# Altium PCB IOT_Masterv2_301115.PcbDoc (part 2 of 2)
Units mm, origin at the board's own origin, x right, y up, seen from the top; angles counter-clockwise.
Board outline 105 x 110 mm, 2 copper layers (Top Layer, Bottom Layer); 132 components, 115 nets, 767 pads, 50 vias.
Unrouted connection lines stored in the file: 3.
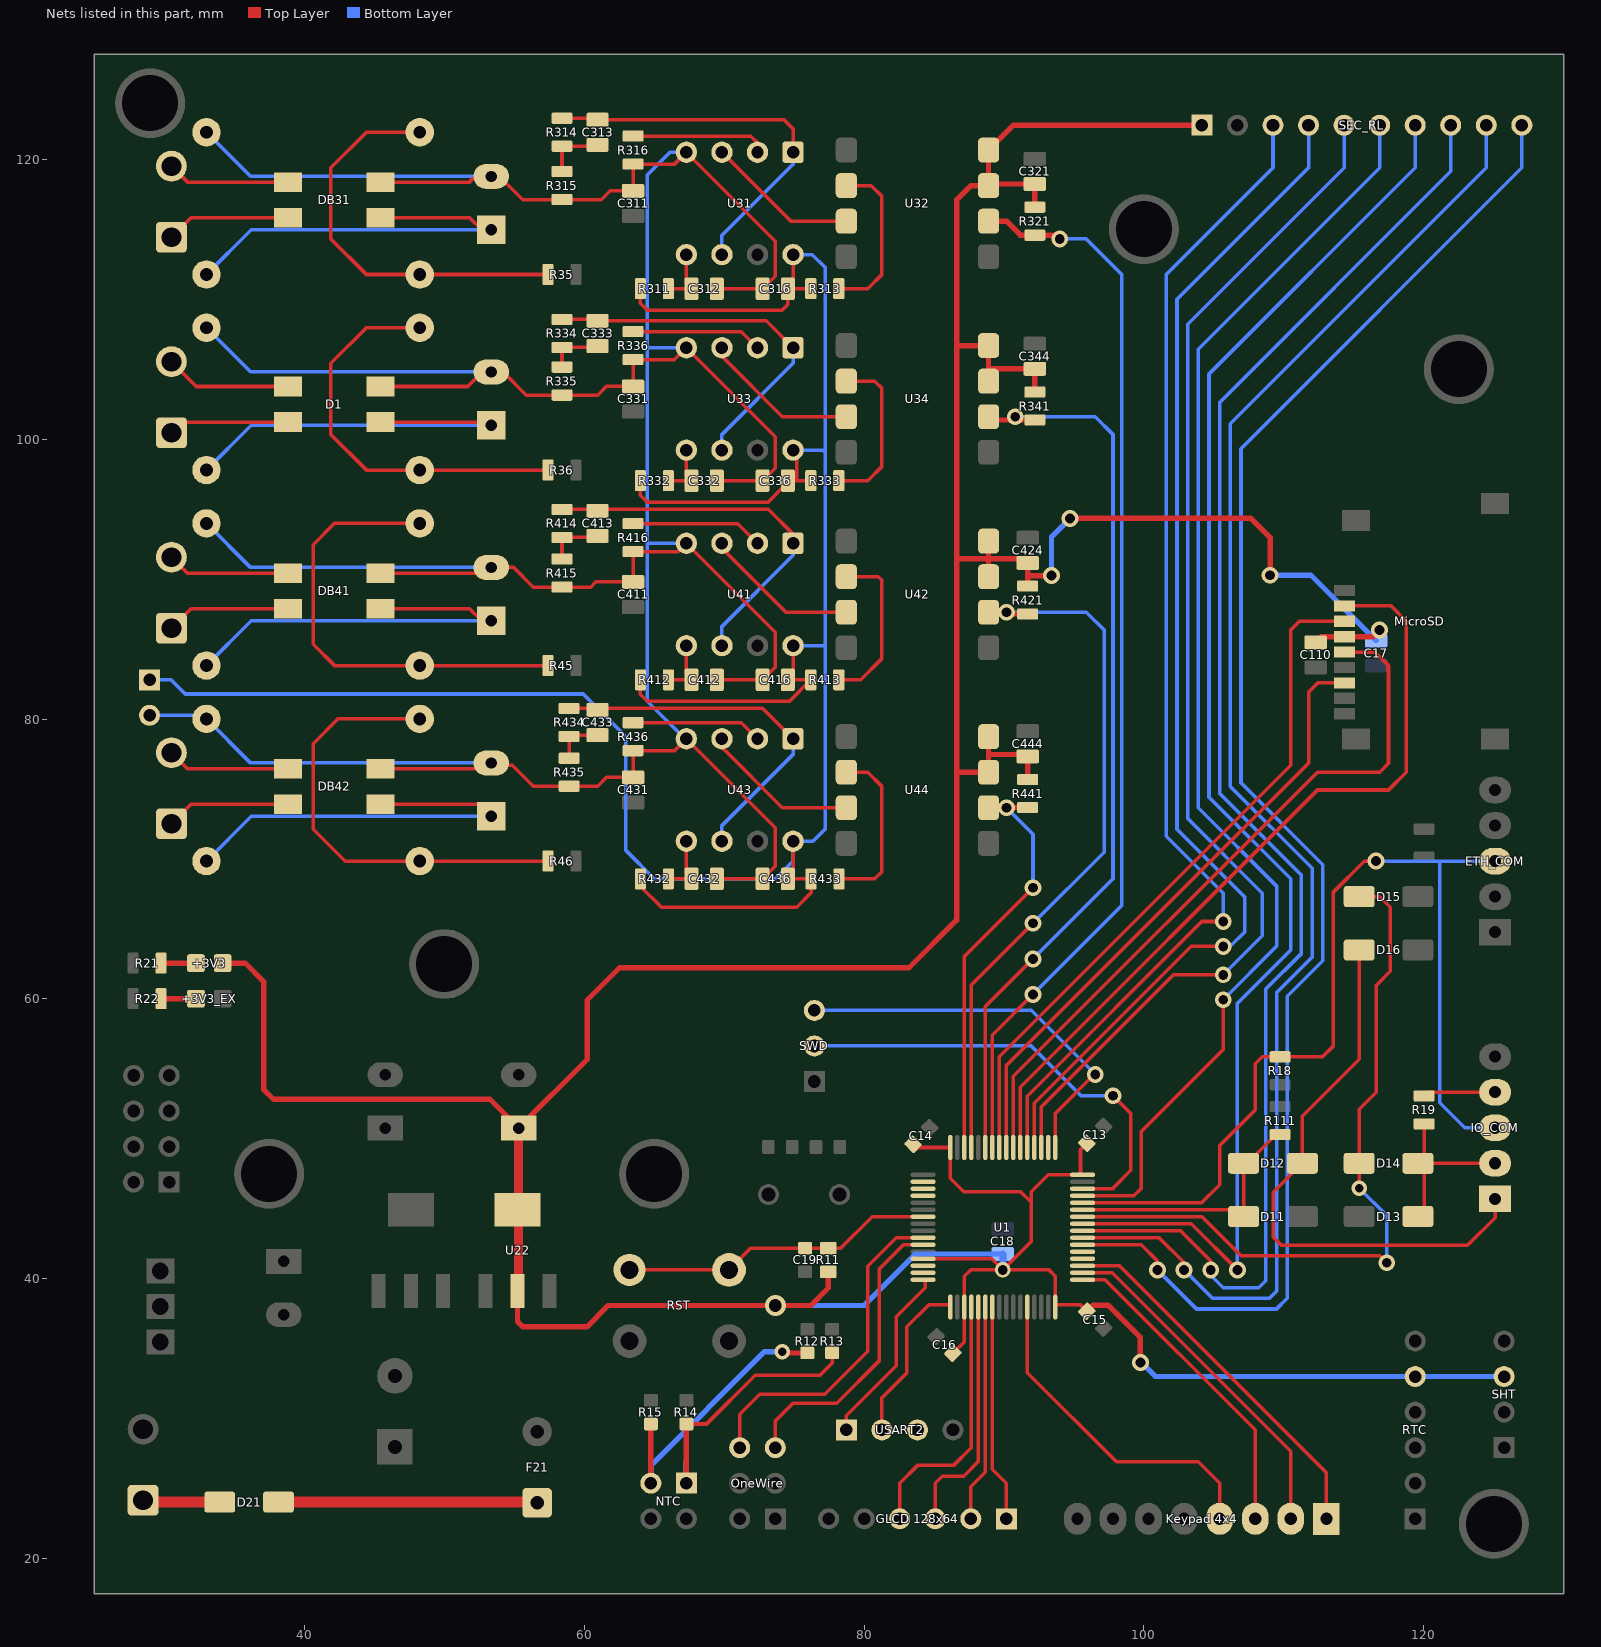
[diagram p2: the nets of this part, all layers, seen from the top]

## Via types
v1: diameter 1.2, hole 0.7, Top Layer to Bottom Layer, 34 vias
v2: diameter 1.1, hole 0.6, Top Layer to Bottom Layer, 5 vias
v3: diameter 1.1, hole 0.7, Top Layer to Bottom Layer, tented both sides, 5 vias
v4: diameter 1.5, hole 0.9, Top Layer to Bottom Layer, 4 vias
v5: diameter 1, hole 1, Top Layer to Bottom Layer, 2 vias

## Nets (pads, with @x,y where several pads share a name; then routed paths per layer and width w, separated by ;. In a path a pad name is that pad's centre, name@x,y a point inside that pad or via, vN(x,y) a via of type N, cw(c..) or ccw(c..) an arc to the next point about the centre after c; other vN are vias at no path point) (continued)
IND_COM: ETH_COM.3 IO_COM.3 R18.1@109.728,55.864 U1.44 | length 71.7
  Top Layer w0.254: U1.44@95.466,45.438 104.112,45.438 105.41,46.736 105.41,49.53 107.95,52.07 107.95,55.372 108.442,55.864 R18.1@109.728,55.864 112.76,55.864 113.538,56.642 113.538,67.644 115.744,69.85 v1(116.586,69.85)
  Bottom Layer w0.254: v1(116.586,69.85) ETH_COM.3@125.095,69.85 ; 121.133,69.825 121.133,52.578 122.911,50.8 IO_COM.3@125.095,50.8
IO_RX: D13.A D14.A IO_COM.2 R19.1@120.015,51.07 | length 11.3
  Top Layer w0.254: D13.A@120.015,44.89 D14.A@120.015,48.26 ; R19.1@120.015,51.07 D14.A@120.015,48.26 ; IO_COM.2@125.095,48.26 D14.A@120.015,48.26
IO_TX: D12.K D16.K IO_COM.1 | length 41.3
  Top Layer w0.254: D16.K@115.375,63.5 115.375,55.685 111.32,51.63 D12.K@111.32,48.26 109.245,46.185 109.245,42.977 109.83,42.393 123.114,42.393 125.095,44.374 IO_COM.1@125.095,45.72
IO_VCC: IO_COM.4 R19.2 | length 4.8
  Top Layer w0.254: R19.2@120.285,53.34 IO_COM.4@125.095,53.34
Net12V_IN_1: 12V_IN.1 D21.A | length 5.5
  Top Layer w0.762: 12V_IN.1@28.488,24.181 28.615,24.054 D21.A@33.968,24.054
Net48DC_1_1: 48DC_1.1 DB41.2 | length 8.9
  Top Layer w0.254: 48DC_1.1@30.52,86.487 31.917,87.884 DB41.2@38.862,87.884
Net48DC_1_2: 48DC_1.2 DB41.3 | length 8.8
  Top Layer w0.254: 48DC_1.2@30.52,91.567 31.663,90.424 DB41.3@38.862,90.424
Net48DC_2_1: 48DC_2.1 DB42.2 | length 8.9
  Top Layer w0.254: 48DC_2.1@30.52,72.517 31.917,73.914 DB42.2@38.862,73.914
Net48DC_2_2: 48DC_2.2 DB42.3 | length 8.8
  Top Layer w0.254: 48DC_2.2@30.52,77.597 31.663,76.454 DB42.3@38.862,76.454
Net220AC1_1: 220AC1.1 DB31.2 | length 8.9
  Top Layer w0.254: 220AC1.1@30.52,114.427 31.917,115.824 DB31.2@38.862,115.824
Net220AC1_2: 220AC1.2 DB31.3 | length 8.8
  Top Layer w0.254: 220AC1.2@30.52,119.507 31.663,118.364 DB31.3@38.862,118.364
Net220AC2_1: 220AC2.1 D1.2 | length 8.7
  Top Layer w0.254: 220AC2.1@30.52,100.457 31.282,101.219 D1.2@38.862,101.219
Net220AC2_2: 220AC2.2 D1.3 | length 9.1
  Top Layer w0.254: 220AC2.2@30.52,105.537 32.298,103.759 D1.3@38.862,103.759
Net+3V3_EX_K: +3V3_EX.K R22.1@29.778,60.02 | length 2.5
  Top Layer w0.381: R22.1@29.778,60.02 +3V3_EX.K@32.271,60.02
Net+3V3_K: +3V3.K R21.1@29.778,62.56 | length 2.5
  Top Layer w0.381: R21.1@29.778,62.56 +3V3.K@32.271,62.56
NetC31_1: C31.1 DB31.1 R31.1 | length 29.9
  Top Layer w0.254: DB31.1@45.466,115.824 51.816,115.824 52.68,114.96 C31.1@53.365,114.96
  Bottom Layer w0.254: R31.1@33.02,111.76 36.22,114.96 C31.1@53.365,114.96
NetC32_1: C32.1 D1.1 R32.1 | length 29.7
  Top Layer w0.254: D1.1@45.466,101.219 52.451,101.219 52.68,100.99 C32.1@53.365,100.99
  Bottom Layer w0.254: R32.1@33.02,97.79 36.22,100.99 C32.1@53.365,100.99
NetC41_1: C41.1 DB41.1 R41.1 | length 29.9
  Top Layer w0.254: DB41.1@45.466,87.884 51.816,87.884 52.68,87.02 C41.1@53.365,87.02
  Bottom Layer w0.254: R41.1@33.02,83.82 36.22,87.02 C41.1@53.365,87.02
NetC42_1: C42.1 DB42.1 R42.1 | length 29.9
  Top Layer w0.254: DB42.1@45.466,73.914 52.502,73.914 C42.1@53.365,73.05
  Bottom Layer w0.254: R42.1@33.02,69.85 36.22,73.05 C42.1@53.365,73.05
NetC312_2: C312.2 R311.2 U31.5 | length 4.2
  Top Layer w0.254: R311.2@66.024,110.744 C312.2@67.68,110.744 67.31,111.114 U31.5@67.31,113.182
NetC313_1: C313.1@60.96,122.82 R314.2 U31.1 U31.6 | length 27.8
  Top Layer w0.254: R314.2@58.42,122.92 C313.1@60.86,122.92 ; C313.1@60.96,122.82 74.284,122.82 74.93,122.174 U31.1@74.93,120.498
  Bottom Layer w0.254: U31.6@69.85,113.182 69.85,114.554 74.93,119.634 U31.1@74.93,120.498
NetC313_2: C313.2 R314.1@58.42,120.92 R315.2 | length 4.3
  Top Layer w0.254: R315.2@58.42,119.11 R314.1@58.42,120.92 C313.2@60.86,120.92
NetC332_2: C332.2 R332.2 U33.5 | length 4
  Top Layer w0.254: R332.2@66.024,97.028 C332.2@67.68,97.028 67.31,97.398 U33.5@67.31,99.212
NetC333_1: C333.1@60.96,108.45 R334.2 U33.1 U33.6 | length 26.8
  Top Layer w0.254: R334.2@58.42,108.55 60.86,108.55 C333.1@60.96,108.45 73.008,108.45 U33.1@74.93,106.528
  Bottom Layer w0.254: U33.6@69.85,99.212 69.85,100.33 74.93,105.41 U33.1@74.93,106.528
NetC333_2: C333.2 R334.1@58.42,106.55 R335.2 | length 3.9
  Top Layer w0.254: R335.2@58.42,105.14 R334.1@58.42,106.55 C333.2@60.86,106.55
NetC412_2: C412.2 R412.2 U41.5 | length 4.2
  Top Layer w0.254: R412.2@66.024,82.804 C412.2@67.68,82.804 67.31,83.174 U41.5@67.31,85.242
NetC413_1: C413.1@60.96,94.88 R414.2 U41.1 U41.6 | length 27.3
  Top Layer w0.254: R414.2@58.42,94.98 73.168,94.98 74.93,93.218 U41.1@74.93,92.558
  Bottom Layer w0.254: U41.6@69.85,85.242 69.85,86.614 74.93,91.694 U41.1@74.93,92.558
NetC413_2: C413.2 R414.1@58.42,92.98 R415.2 | length 4.1
  Top Layer w0.254: R415.2@58.42,91.424 R414.1@58.42,92.98 60.86,92.98 C413.2@60.96,93.08
NetC432_2: C432.2 R432.2 U43.5 | length 4
  Top Layer w0.254: R432.2@66.024,68.58 C432.2@67.68,68.58 ; C432.2@67.31,68.95 U43.5@67.31,71.272
NetC433_1: C433.1@60.96,80.656 R434.2 U43.1 U43.6 | length 26.3
  Top Layer w0.254: R434.2@58.928,80.756 72.762,80.756 U43.1@74.93,78.588
  Bottom Layer w0.254: U43.6@69.85,71.272 69.85,72.39 74.93,77.47 U43.1@74.93,78.588
NetC433_2: C433.2 R434.1@58.928,78.756 R435.1@58.928,77.2 | length 3
  Top Layer w0.254: R435.1@58.928,77.2 58.928,78.232 R434.1@58.928,78.756 ; R434.1@59.552,78.856 C433.2@60.96,78.856
NetD21_2: D21.K F21.1 | length 18.5
  Top Layer w0.762: D21.K@38.168,24.054 56.591,24.054 F21.1@56.642,24.003
NetNTC_1: NTC.1 R13.1 R14.2 | length 18.7
  Top Layer w0.254: R14.2@67.31,29.63 68.746,29.63 72.238,33.122 76.86,33.122 77.724,33.985 R13.1@77.724,34.71
  Top Layer w0.381: NTC.1@67.31,25.4 R14.2@67.31,29.63
  Bottom Layer w0.381: NTC.1@67.31,25.4 67.31,26.924
NetNTC_3: NTC.3 R12.1 R15.2 | length 20.1
  Top Layer w0.381: NTC.3@64.77,25.4 R15.2@64.77,29.63 ; v2(74.168,34.798) 74.256,34.71 R12.1@75.946,34.71
  Bottom Layer w0.381: NTC.3@64.77,25.4 64.77,26.67 72.898,34.798 v2(74.168,34.798)
NetR31_2: R31.2 R34.2 R35.1@57.42,111.76 | length 29
  Top Layer w0.254: R34.2@48.26,121.92 44.45,121.92 41.91,119.38 41.91,114.3 44.45,111.76 R31.2@48.26,111.76 R35.1@57.42,111.76
NetR32_2: R32.2 R33.2 R36.1@57.42,97.79 | length 29
  Top Layer w0.254: R33.2@48.26,107.95 44.45,107.95 41.91,105.41 41.91,100.33 44.45,97.79 R32.2@48.26,97.79 R36.1@57.42,97.79
NetR41_2: R41.2 R43.2 R45.1@57.42,83.82 | length 32.8
  Top Layer w0.254: R43.2@48.26,93.98 42.164,93.98 40.64,92.456 40.64,85.344 42.164,83.82 R41.2@48.26,83.82 R45.1@57.42,83.82
NetR42_2: R42.2 R44.2 R46.1@57.42,69.85 | length 32.2
  Top Layer w0.254: R44.2@48.26,80.01 42.418,80.01 40.64,78.232 40.64,72.136 42.926,69.85 R42.2@48.26,69.85 R46.1@57.42,69.85
NetR313_1: R313.1@78.2,110.744 U32.2 | length 11.9
  Top Layer w0.254: R313.1@78.2,110.744 80.264,110.744 81.28,111.76 81.28,117.348 80.518,118.11 U32.2@78.74,118.11
NetR316_2: R316.2 U31.2 | length 9.8
  Top Layer w0.254: R316.2@63.5,121.65 71.898,121.65 72.39,121.158 U31.2@72.39,120.498
NetR333_1: R333.1@78.2,97.028 U34.2 | length 11.8
  Top Layer w0.254: R333.1@78.2,97.028 80.264,97.028 81.28,98.044 81.28,103.632 80.772,104.14 U34.2@78.74,104.14
NetR336_2: R336.2 U33.2 | length 9.4
  Top Layer w0.254: R336.2@63.5,107.68 71.238,107.68 U33.2@72.39,106.528
NetR413_1: R413.1@78.2,82.804 U42.2 | length 11.9
  Top Layer w0.254: R413.1@78.2,82.804 79.756,82.804 81.28,84.328 81.28,89.916 81.026,90.17 U42.2@78.74,90.17
NetR416_2: R416.2 U41.2 | length 9.5
  Top Layer w0.254: R416.2@63.5,93.964 70.984,93.964 U41.2@72.39,92.558
NetR433_1: R433.1@78.216,68.58 U44.2 | length 12.3
  Top Layer w0.254: R433.1@78.216,68.58 80.772,68.58 81.28,69.088 81.28,75.184 80.264,76.2 U44.2@78.74,76.2
NetR436_2: R436.2 U43.2 | length 9.4
  Top Layer w0.254: R436.2@63.5,79.74 71.238,79.74 U43.2@72.39,78.588
NRST: C19.2 R11.1@77.445,42.201 RST.1 U1.7 | length 22.5
  Top Layer w0.254: RST.1@63.246,40.64 RST.1@70.358,40.64 71.919,42.201 C19.2@75.794,42.201 R11.1@77.445,42.201 78.345,42.201 80.582,44.438 U1.7@84.216,44.438
OSC32_IN: U1.3
OSC32_OUT: U1.4
PA1: U1.15
PA4: "GLCD 128x64.4" U1.20 | length 18.8
  Top Layer w0.254: 82.55,22.86 82.55,25.4 83.82,26.67 86.396,26.67 87.666,27.94 U1.20@87.666,37.988
PA5: "GLCD 128x64.3" U1.21 | length 17.3
  Top Layer w0.254: 85.09,22.86 85.09,25.4 85.598,25.908 87.122,25.908 88.166,26.952 U1.21@88.166,37.988
PA6: "GLCD 128x64.2" U1.22 | length 15.6
  Top Layer w0.254: 87.63,22.86 87.63,25.146 88.666,26.182 U1.22@88.666,37.988
PA7: "GLCD 128x64.1" U1.23 | length 15.5
  Top Layer w0.254: U1.23@89.166,37.988 89.166,26.404 90.17,25.4 90.17,22.86
PA15: U1.50
PB15: U1.36
PC2: OneWire.6 U1.10 | length 24.3
  Top Layer w0.254: OneWire.6@71.12,27.94 71.12,30.328 72.542,31.75 77.191,31.75 80.264,34.823 80.264,40.894 82.308,42.938 U1.10@84.216,42.938
PC3: OneWire.5 U1.11 | length 21.5
  Top Layer w0.254: OneWire.5@73.66,27.94 73.66,29.845 74.93,31.115 78.054,31.115 81.102,34.163 81.102,40.716 82.824,42.438 U1.11@84.216,42.438
PC6: U1.37
PWM1_OUT: U31.3 U32.3 | length 10.9
  Top Layer w0.254: U31.3@69.85,120.498 74.778,115.57 U32.3@78.74,115.57
PWM2_OUT: U33.3 U34.3 | length 11.3
  Top Layer w0.254: U33.3@69.85,106.528 69.85,105.918 74.168,101.6 U34.3@78.74,101.6
PWM3_OUT: U41.3 U42.3 | length 11.1
  Top Layer w0.254: U41.3@69.85,92.558 69.85,92.202 74.422,87.63 U42.3@78.74,87.63
PWM4_OUT: U43.3 U44.3 | length 11.3
  Top Layer w0.254: U43.3@69.85,78.588 69.85,77.978 74.168,73.66 U44.3@78.74,73.66
PWM_ISO_1: R321.1@92.202,114.57 U1.58 U32.6 | length 77.3
  Top Layer w0.254: U1.58@89.166,49.388 89.166,57.416 v1(92.075,60.325)
  Top Layer w0.381: U32.6@88.9,115.57 90.17,115.57 91.17,114.57 R321.1@92.202,114.57 93.71,114.57 v1(93.98,114.3)
  Bottom Layer w0.254: v1(92.075,60.325) 98.425,66.675 98.425,111.76 95.885,114.3 v1(93.98,114.3)
PWM_ISO_2: R341.1@92.202,101.362 U1.59 U34.6 | length 65.6
  Top Layer w0.254: U1.59@88.666,49.388 88.666,59.456 v1(92.075,62.865)
  Top Layer w0.381: U34.6@88.9,101.6 89.138,101.362 R341.1@92.202,101.362
  Bottom Layer w0.254: v1(90.805,101.6) 96.52,101.6 97.79,100.33 97.79,68.58 v1(92.075,62.865)
PWM_ISO_3: R421.1@91.694,87.5 U1.61 U42.6 | length 50.1
  Top Layer w0.254: U1.61@87.666,49.388 87.666,60.996 v1(92.075,65.405) ; v1@90.17,87.5 v1(90.17,87.63)
  Top Layer w0.381: v1@90.17,87.5 R421.1@91.694,87.5
  Bottom Layer w0.254: v1(90.17,87.63) 95.885,87.63 97.155,86.36 97.155,70.485 v1(92.075,65.405)
PWM_ISO_4: R441.1@91.694,73.676 U1.62 U44.6 | length 28.7
  Top Layer w0.254: U1.62@87.166,49.388 87.166,63.036 v1(92.075,67.945) ; v1(90.17,73.66) v1@90.17,73.676
  Top Layer w0.381: v1@90.17,73.676 R441.1@91.694,73.676
  Bottom Layer w0.254: v1(90.17,73.66) 90.17,73.676 92.075,71.771 v1(92.075,67.945)
RL_AL_1: SEC_RL.3 U1.53 | length 84.6
  Top Layer w0.254: U1.53@91.666,49.388 91.666,53.058 104.14,65.532 v1(105.664,65.532)
  Bottom Layer w0.254: v1(105.664,65.532) 105.664,67.564 101.6,71.628 101.6,111.76 109.22,119.38 SEC_RL.3@109.22,122.428
RL_AL_2: SEC_RL.4 U1.52 | length 86.8
  Top Layer w0.254: U1.52@92.166,49.388 92.166,52.542 103.378,63.754 v1(105.664,63.754)
  Bottom Layer w0.254: v1(105.664,63.754) 106.172,63.754 107.188,64.77 107.188,67.31 102.362,72.136 102.362,109.982 111.76,119.38 SEC_RL.4@111.76,122.428
RL_AL_3: SEC_RL.5 U1.51 | length 88.5
  Top Layer w0.254: U1.51@92.666,49.388 92.666,52.28 102.108,61.722 v1(105.664,61.722)
  Bottom Layer w0.254: v1(105.664,61.722) 108.458,64.516 108.458,67.564 103.124,72.898 103.124,108.204 114.3,119.38 SEC_RL.5@114.3,122.428
RL_AL_4: SEC_RL.6 U1.45 | length 92.1
  Top Layer w0.254: U1.45@95.616,45.938 99.278,45.938 99.822,46.482 99.822,50.546 105.664,56.388 v1(105.664,59.944)
  Bottom Layer w0.254: v1(105.664,59.944) 109.474,63.754 109.474,68.072 103.886,73.66 103.886,106.426 116.84,119.38 SEC_RL.6@116.84,122.428
RL_AL_5: SEC_RL.7 U1.41 | length 104.3
  Top Layer w0.254: U1.41@95.616,43.938 103.382,43.938 v1(106.68,40.64)
  Bottom Layer w0.254: v1(106.68,40.64) 106.68,59.69 110.49,63.5 110.49,68.58 104.648,74.422 104.648,104.648 119.38,119.38 SEC_RL.7@119.38,122.428
RL_AL_6: SEC_RL.8 U1.40 | length 108.4
  Top Layer w0.254: U1.40@95.616,43.438 102.612,43.438 104.775,41.275 v1(104.775,40.64)
  Bottom Layer w0.254: v1(104.775,40.64) 104.775,40.259 105.664,39.37 108.204,39.37 108.712,39.878 108.712,60.706 111.252,63.246 111.252,68.834 105.41,74.676 105.41,102.616 121.92,119.126 SEC_RL.8@121.92,122.428
RL_AL_7: SEC_RL.9 U1.39 | length 110.5
  Top Layer w0.254: U1.39@95.616,42.938 101.08,42.938 102.87,41.148 v1(102.87,40.64)
  Bottom Layer w0.254: v1(102.87,40.64) 104.902,38.608 108.966,38.608 109.474,39.116 109.474,60.452 112.014,62.992 112.014,69.342 106.172,75.184 106.172,101.092 124.46,119.38 SEC_RL.9@124.46,122.428
RL_AL_8: SEC_RL.10 U1.38 | length 112.8
  Top Layer w0.254: U1.38@95.616,42.438 99.802,42.438 100.965,41.275 v1(100.965,40.64)
  Bottom Layer w0.254: v1(100.965,40.64) 103.759,37.846 109.474,37.846 110.236,38.608 110.236,60.198 112.776,62.738 112.776,69.596 106.934,75.438 106.934,99.314 127,119.38 SEC_RL.10@127,122.428
ROW1: "Keypad 4x4.1" U1.35 | length 26.8
  Top Layer w0.254: U1.35@95.616,40.938 98.254,40.938 113.03,26.162 113.03,22.86
ROW2: "Keypad 4x4.2" U1.34 | length 25
  Top Layer w0.254: U1.34@95.616,40.438 97.738,40.438 110.49,27.686 110.49,22.86
ROW3: "Keypad 4x4.3" U1.33 | length 23.1
  Top Layer w0.254: U1.33@95.616,39.938 97.222,39.938 107.95,29.21 107.95,22.86
ROW4: "Keypad 4x4.4" U1.28 | length 24.2
  Top Layer w0.254: U1.28@91.666,37.988 91.666,33.302 98.044,26.924 103.886,26.924 105.41,25.4 105.41,22.86
SPI1_CS: MicroSD.2 U1.54 | length 56.9
  Top Layer w0.254: U1.54@91.166,49.388 91.166,53.701 112.395,74.93 117.475,74.93 118.745,76.2 118.745,86.995 117.661,88.079 MicroSD.2@114.341,88.079
SPI1_MISO: MicroSD.7 U1.56 | length 44.3
  Top Layer w0.254: U1.56@90.166,49.388 90.166,55.241 111.76,76.835 111.76,81.915 112.424,82.579 MicroSD.7@114.341,82.579
SPI1_MOSI: MicroSD.3 U1.57 | length 49.7
  Top Layer w0.254: U1.57@89.666,49.388 89.666,55.88 110.49,76.704 110.49,86.36 111.109,86.979 MicroSD.3@114.341,86.979
SPI1_SCK: MicroSD.5 U1.55 | length 51.7
  Top Layer w0.254: U1.55@90.666,49.388 90.666,54.471 112.395,76.2 116.84,76.2 117.475,76.835 117.475,83.82 116.516,84.779 MicroSD.5@114.341,84.779
SWCLK: SWD.3 U1.49 | length 28.4
  Top Layer w0.254: U1.49@93.666,49.388 93.666,51.816 96.46,54.61 v1(96.52,54.61)
  Bottom Layer w0.254: SWD.3@76.454,59.182 91.948,59.182 v1(96.52,54.61)
SWDIO: SWD.2 U1.46 | length 32.8
  Top Layer w0.254: U1.46@95.466,46.438 97.79,46.438 97.79,46.482 99.06,47.752 99.06,51.816 v1(97.79,53.086)
  Bottom Layer w0.254: SWD.2@76.454,56.642 91.948,56.642 95.504,53.086 v1(97.79,53.086)
TAMP_PC13: U1.2
USART1_RX: D11.A D12.A R111.1@109.728,50.308 U1.43 | length 18.6
  Top Layer w0.254: U1.43@95.466,44.938 106.632,44.938 D11.A@107.12,44.45 ; D11.A@107.12,44.822 107.12,48.006 109.422,50.308 R111.1@109.728,50.308
USART1_TX: D14.K D15.K U1.42 | length 52.8
  Top Layer w0.254: U1.42@95.616,44.438 104.152,44.438 106.934,41.656 116.84,41.656 v1(117.348,41.148) ; D15.K@115.375,67.31 116.84,67.31 117.602,66.548 117.602,61.976 116.586,60.96 116.586,53.34 115.375,52.129 D14.K@115.375,48.26 115.392,48.243 v2(115.392,46.482)
  Bottom Layer w0.254: v2(115.392,46.482) 117.348,44.526 v1(117.348,41.148)
USART2_RX: U1.17 USART2.2 | length 11.9
  Top Layer w0.254: USART2.2@81.28,29.21 81.28,31.496 83.058,33.274 83.058,36.576 84.62,38.138 U1.17@86.166,38.138
USART2_TX: U1.16 USART2.1 | length 13.1
  Top Layer w0.254: USART2.1@78.74,29.21 78.74,30.226 82.296,33.782 82.296,37.3 84.366,39.37 U1.16@84.366,39.938
VCC: +3V3.A C13.2 C14.2 C15.2 C16.2 C17.2 C18.2 C23.1 C110.2 C321.2 C344.2 C424.2 C444.2 MicroSD.4 R11.2 R321.2 R341.2 R421.2 R441.2 RTC.5 SEC_RL.1 SHT.3 U1.13 U1.19 U1.32 U1.48 U1.64 U22.2 U22.4 U32.7 U32.8 U34.7 U34.8 U42.7 U42.8 U44.7 U44.8 USART2.3 | length 353
  Top Layer w0.254: C14.2@83.498,49.615 83.725,49.388 U1.64@86.166,49.388 ; U1.13@84.366,41.438 89.118,41.438 v3(89.916,40.64) ; U1.64@86.166,49.238 86.166,47.184 87.122,46.228 91.186,46.228 91.948,45.466 ; C16.2@86.351,34.68 87.166,35.494 U1.19@87.166,37.988 87.166,40.176 87.63,40.64 v3(89.916,40.64) ; C15.2@95.919,37.685 95.466,38.138 93.666,38.138 93.666,40.192 93.218,40.64 v3(89.916,40.64) ; C13.2@95.919,49.691 95.466,49.238 95.466,47.438 93.158,47.438 91.948,46.228 91.948,45.466 ; v3(89.916,40.64) 91.948,42.672 91.948,45.466
  Top Layer w0.381: +3V3.A@34.176,62.56 35.789,62.56 37.109,61.239 37.109,53.543 37.821,52.832 53.264,52.832 C23.1@55.321,50.775 60.223,55.677 60.223,59.919 62.535,62.23 83.21,62.23 86.614,65.634 86.614,76.2 ; U22.2@55.245,39.137 55.245,36.957 55.626,36.576 60.198,36.576 61.722,38.1 v4(73.66,38.1) 76.2,38.1 77.445,39.345 R11.2@77.445,40.501 ; U44.8@88.9,78.74 88.9,77.47 ; U42.7@88.9,90.17 88.9,91.44 ; U42.8@88.9,92.71 88.9,91.44 ; U34.7@88.9,104.14 U34.7@88.9,105.018 ; R441.2@91.694,75.676 C444.2@91.694,77.332 91.556,77.47 88.9,77.47 ; R421.2@91.694,89.5 91.694,90.328 ; R341.2@92.202,103.362 C344.2@92.202,105.018 U34.7@88.9,105.018 ; R321.2@92.202,116.57 C321.2@92.202,118.226 89.016,118.226 U32.7@88.9,118.11 ; v1(93.396,90.246) 91.776,90.246 91.694,90.328 ; v1(94.717,94.336) 107.645,94.336 109.017,92.964 v1(109.017,90.272) ; C15.2@95.919,37.685 96.359,38.125 97.434,38.125 99.746,35.814 v1(99.746,34.036) ; SEC_RL.1@104.14,122.428 90.678,122.428 U32.8@88.9,120.65 U32.7@88.9,118.11 ; C110.2@112.268,85.482 112.665,85.879 MicroSD.4@114.341,85.879 116.359,85.879 v1(116.84,86.36) ; 86.614,76.2 U44.7@88.9,76.2 88.9,77.47 ; 86.614,76.2 86.614,91.44 ; 86.614,91.44 88.9,91.44 ; 86.614,91.44 86.614,106.68 ; 86.614,106.68 U34.8@88.9,106.68 U34.7@88.9,105.018 ; 86.614,106.68 86.614,117.094 87.63,118.11 U32.7@88.9,118.11 ; 88.9,91.44 91.41,91.44 C424.2@91.694,91.156 91.694,90.328
  Top Layer w0.635: U22.2@55.245,39.137 55.321,39.213 C23.1@55.321,50.775
  Bottom Layer w0.381: v4(73.66,38.1) 80.01,38.1 83.682,41.772 C18.2@89.916,41.772 ; v1(93.396,90.246) 93.396,93.015 v1(94.717,94.336) ; v1(99.746,34.036) 99.746,34.087 100.813,33.02 RTC.5@119.38,33.02 SHT.3@125.73,33.02 ; v1(109.017,90.272) 111.923,90.272 C17.2@116.586,85.609
  Bottom Layer w0.5: v3(89.916,40.64) C18.2@89.916,41.772
VS: C316.2 C336.2 C416.2 C436.2 R311.1@64.024,110.744 R313.2 R332.1@64.024,97.028 R333.2 R412.1@64.024,82.804 R413.2 R432.1@64.024,68.58 R433.2 U31.8 U33.8 U41.8 U43.8 VsIN.1 | length 179.4
  Top Layer w0.254: R432.1@64.024,68.58 64.024,68.056 65.532,66.548 75.184,66.548 76.216,67.58 R433.2@76.216,68.58 C436.2@74.56,68.58 74.93,68.95 U43.8@74.93,71.272 ; R412.1@64.024,82.804 64.024,81.772 64.516,81.28 74.676,81.28 R413.2@76.2,82.804 C416.2@74.56,82.804 ; R332.1@64.024,97.028 64.024,95.996 64.516,95.504 73.152,95.504 74.56,96.912 C336.2@74.56,97.028 75.2,97.028 ; R311.1@64.024,110.744 64.024,109.712 64.516,109.22 74.168,109.22 74.56,109.612 C316.2@74.56,110.744 R313.2@76.2,110.744 ; C416.2@74.93,83.074 U41.8@74.93,85.242 ; U33.8@74.93,99.212 75.2,98.942 75.2,97.028 ; C316.2@74.93,110.76 U31.8@74.93,113.182 ; R333.2@76.2,97.028 75.2,97.028
  Bottom Layer w0.254: VsIN.1@28.956,82.804 30.48,82.804 31.496,81.788 59.944,81.788 62.992,78.74 62.992,70.612 65.024,68.58 73.66,68.58 74.93,69.85 U43.8@74.93,71.272 76.352,71.272 77.216,72.136 77.216,85.344 ; U41.8@74.93,85.242 77.114,85.242 77.216,85.344 ; U33.8@74.93,99.212 77.064,99.212 77.216,99.06 ; U31.8@74.93,113.182 76.302,113.182 77.216,112.268 77.216,99.06 ; 77.216,85.344 77.216,99.06
VSGND: C31.2 C32.2 C41.2 C42.2 C311.1@63.5,117.74 C312.1@69.48,110.744 C316.1@72.76,110.744 C331.1@63.5,103.77 C332.1@69.48,97.028 C336.1@72.76,97.028 C411.1@63.5,89.8 C412.1@69.48,82.804 C416.1@72.76,82.804 C431.1@63.5,75.83 C432.1@69.48,68.58 C436.1@72.76,68.58 D1.4 DB31.4 DB41.4 DB42.4 R33.1 R34.1 R43.1 R44.1 R315.1@58.42,117.11 R316.1@63.5,119.65 R335.1@58.42,103.14 R336.1@63.5,105.68 R415.1@58.42,89.424 R416.1@63.5,91.964 R435.2 R436.1@63.5,77.74 U31.4 U33.4 U41.4 U43.4 VsIN.2 | length 306.7
  Top Layer w0.254: DB42.4@45.466,76.454 52.959,76.454 C42.2@53.365,76.86 53.518,76.708 54.864,76.708 56.372,75.2 R435.2@58.928,75.2 60.976,75.2 61.606,75.83 C431.1@63.5,75.83 R436.1@63.5,77.74 66.462,77.74 U43.4@67.31,78.588 73.66,72.238 73.66,69.48 C436.1@72.76,68.58 C432.1@69.48,68.58 ; DB41.4@45.466,90.424 52.959,90.424 C41.2@53.365,90.83 54.966,90.83 56.372,89.424 R415.1@58.42,89.424 60.468,89.424 60.844,89.8 C411.1@63.5,89.8 R416.1@63.5,91.964 66.716,91.964 U41.4@67.31,92.558 73.66,86.208 73.66,83.704 C416.1@72.76,82.804 C412.1@69.48,82.804 ; D1.4@45.466,103.759 51.689,103.759 52.73,104.8 C32.2@53.365,104.8 54.204,104.8 55.864,103.14 R335.1@58.42,103.14 60.976,103.14 61.606,103.77 C331.1@63.5,103.77 R336.1@63.5,105.68 63.516,105.664 66.446,105.664 U33.4@67.31,106.528 73.66,100.178 73.66,97.928 C336.1@72.76,97.028 C332.1@69.48,97.028 ; DB31.4@45.466,118.364 51.816,118.364 52.222,118.77 C31.2@53.365,118.77 53.95,118.77 55.61,117.11 R315.1@58.42,117.11 61.23,117.11 61.86,117.74 C311.1@63.5,117.74 R316.1@63.5,119.65 66.462,119.65 U31.4@67.31,120.498 73.66,114.148 73.66,111.644 C316.1@72.76,110.744 C312.1@69.48,110.744
  Bottom Layer w0.254: VsIN.2@28.956,80.264 32.766,80.264 R44.1@33.02,80.01 36.17,76.86 C42.2@53.365,76.86 ; R43.1@33.02,93.98 36.17,90.83 C41.2@53.365,90.83 ; R33.1@33.02,107.95 36.17,104.8 C32.2@53.365,104.8 ; R34.1@33.02,121.92 36.17,118.77 C31.2@53.365,118.77 ; U43.4@67.31,78.588 67.208,78.588 64.516,81.28 64.516,92.456 ; U41.4@67.31,92.558 64.618,92.558 64.516,92.456 ; U33.4@67.31,106.528 64.668,106.528 64.516,106.68 ; U31.4@67.31,120.498 66.142,120.498 64.516,118.872 64.516,106.68 ; 64.516,92.456 64.516,106.68
WKUP_PA0: U1.14
pads on no net: +3V3.0 +3V3_EX.0 C11.0 C12.0 C13.0 C14.0 C15.0 C16.0 C17.0 C17.1@116.586,83.809 C17.1@116.586,85.609 C18.0 C18.1@89.916,41.772 C18.1@89.916,43.572 C19.0 C110.0 C110.1@112.268,83.682 C110.1@112.268,85.482 C311.0 C311.1@63.5,115.94 C311.1@63.5,117.74 C312.0 C312.1@67.68,110.744 C312.1@69.48,110.744 C313.0 C313.1@60.96,121.02 C313.1@60.96,122.82 C316.0 C316.1@72.76,110.744 C316.1@74.56,110.744 C321.0 C321.1@92.202,118.226 C321.1@92.202,120.026 C331.0 C331.1@63.5,101.97 C331.1@63.5,103.77 C332.0 C332.1@67.68,97.028 C332.1@69.48,97.028 C333.0 C333.1@60.96,106.65 C333.1@60.96,108.45 C336.0 C336.1@72.76,97.028 C336.1@74.56,97.028 C344.0 C344.1@92.202,105.018 C344.1@92.202,106.818 C411.0 C411.1@63.5,88 C411.1@63.5,89.8 C412.0 C412.1@67.68,82.804 C412.1@69.48,82.804 C413.0 C413.1@60.96,93.08 C413.1@60.96,94.88 C416.0 C416.1@72.76,82.804 C416.1@74.56,82.804 C424.0 C424.1@91.694,91.156 C424.1@91.694,92.956 C431.0 C431.1@63.5,74.03 C431.1@63.5,75.83 C432.0 C432.1@67.68,68.58 C432.1@69.48,68.58 C433.0 C433.1@60.96,78.856 C433.1@60.96,80.656 C436.0 C436.1@72.76,68.58 C436.1@74.56,68.58 C444.0 C444.1@91.694,77.332 C444.1@91.694,79.132 D11.0 D12.0 D13.0 D14.0 D15.0 D16.0 D21.0 F21.0 MicroSD.1 MicroSD.8 MicroSD.9 R11.0 R11.1@77.445,40.501 R11.1@77.445,42.201 R12.0 R13.0 R14.0 R15.0 R18.0 R18.1@109.728,53.864 R18.1@109.728,55.864 R19.0 R19.1@120.015,51.07 R19.1@120.015,53.07 R21.0 R21.1@27.778,62.56 R21.1@29.778,62.56 R22.0 R22.1@27.778,60.02 R22.1@29.778,60.02 R35.0 R35.1@57.42,111.76 R35.1@59.42,111.76 R36.0 R36.1@57.42,97.79 R36.1@59.42,97.79 R45.0 R45.1@57.42,83.82 R45.1@59.42,83.82 R46.0 R46.1@57.42,69.85 R46.1@59.42,69.85 R110.0 R110.1@120.015,70.12 R110.1@120.015,72.12 R111.0 R111.1@109.728,50.308 R111.1@109.728,52.308 R311.0 R311.1@64.024,110.744 R311.1@66.024,110.744 R313.0 R313.1@76.2,110.744 R313.1@78.2,110.744 R314.0 R314.1@58.42,120.92 R314.1@58.42,122.92 R315.0 R315.1@58.42,117.11 R315.1@58.42,119.11 R316.0 R316.1@63.5,119.65 R316.1@63.5,121.65 R321.0 R321.1@92.202,114.57 R321.1@92.202,116.57 R332.0 R332.1@64.024,97.028 R332.1@66.024,97.028 R333.0 R333.1@76.2,97.028 R333.1@78.2,97.028 R334.0 R334.1@58.42,106.55 R334.1@58.42,108.55 R335.0 R335.1@58.42,103.14 R335.1@58.42,105.14 R336.0 R336.1@63.5,105.68 R336.1@63.5,107.68 R341.0 R341.1@92.202,101.362 R341.1@92.202,103.362 R412.0 R412.1@64.024,82.804 R412.1@66.024,82.804 R413.0 R413.1@76.2,82.804 R413.1@78.2,82.804 R414.0 R414.1@58.42,92.98 R414.1@58.42,94.98 R415.0 R415.1@58.42,89.424 R415.1@58.42,91.424 R416.0 R416.1@63.5,91.964 R416.1@63.5,93.964 R421.0 R421.1@91.694,87.5 R421.1@91.694,89.5 R432.0 R432.1@64.024,68.58 R432.1@66.024,68.58 R433.0 R433.1@76.216,68.58 R433.1@78.216,68.58 R434.0 R434.1@58.928,78.756 R434.1@58.928,80.756 R435.0 R435.1@58.928,75.2 R435.1@58.928,77.2 R436.0 R436.1@63.5,77.74 R436.1@63.5,79.74 R441.0 R441.1@91.694,73.676 R441.1@91.694,75.676 RTC.1 RTC.2 U1.1 U31.0 U32.1 U32.4 U33.0 U34.1 U34.4 U41.0 U42.1 U42.4 U43.0 U44.1 U44.4
copper on no net:
  other v5: 125.171,81.991 125.171,90.145

## Polygon pours and split planes (outlines as drawn)
GND on Top Layer "GND_L01_P000" (solid, remove dead copper, pour order 0): 25,65 62.5,65 65,62.5 82.5,62.5 85,65 85,122.5 87.5,125 90,127.5 130,127.5 130,17.5 25,17.5
GND on Bottom Layer "GND_L02_P001" (solid, remove dead copper, pour order 1): 25,65 62.5,65 65,62.5 82.5,62.5 85,65 85,122.5 90,127.5 130,127.5 130,17.5 25,17.5

## Keep-outs
Keep-Out Layer:
  lines w0.1: 25,17.5 130,17.5 130,127.5 25,127.5 25,17.5
  lines w0.15: 26.67,66.04 38.1,66.04 38.1,67.31 26.67,67.31 26.67,66.04 ; 41.91,66.04 62.23,66.04 64.77,63.5 82.55,63.5 85.09,66.04 85.09,67.31 85.09,123.19 83.82,123.19 83.82,67.31 81.28,64.77 66.04,64.77 63.5,67.31 41.91,67.31 41.91,66.04

## Silkscreen, mask and mechanical layers (free items; w line width, h text height)
Top Overlay:
  text "ARM" at 91.186,47.244 h1.52 r270

## Text inside footprints (layer, text, board x,y; h text height)
D1: Top Overlay "+    -" at 43.688,100.457 h2.5 r90
DB31: Top Overlay "+    -" at 43.688,115.062 h2.5 r90
DB41: Top Overlay "+    -" at 43.688,87.122 h2.5 r90
DB42: Top Overlay "+    -" at 43.688,73.152 h2.5 r90
NTC: Top Overlay "3" at 63.246,25.908 h1.27 r180; Top Overlay "4" at 63.246,23.368 h1.27 r180; Top Overlay "2" at 69.85,23.368 h1.27 r180; Top Overlay "1" at 69.342,25.908 h1.27 r180
OneWire: Top Overlay "1" at 74.168,20.828 h1.27 r90; Top Overlay "2" at 71.628,20.32 h1.27 r90; Top Overlay "5" at 74.168,29.464 h1.27 r90; Top Overlay "6" at 71.628,29.464 h1.27 r90
Power: Top Overlay "8" at 28.321,56.058 h1.27 r90; Top Overlay "7" at 30.861,56.058 h1.27 r90; Top Overlay "1" at 30.861,44.882 h1.27 r90; Top Overlay "2" at 28.321,44.374 h1.27 r90